# Altium PCB PCB1.PcbDoc (part 5 of 5)
Units mm, origin at the board's own origin, x right, y up, seen from the top; angles counter-clockwise.
Board outline 85 x 56 mm, 6 copper layers (Top Layer, GND, SIG_PWR, Layer 4, PWR, Bottom Layer), stack 1.549 mm thick; 170 components, 334 nets, 1426 pads, 803 vias.
Unrouted connection lines stored in the file: 7.
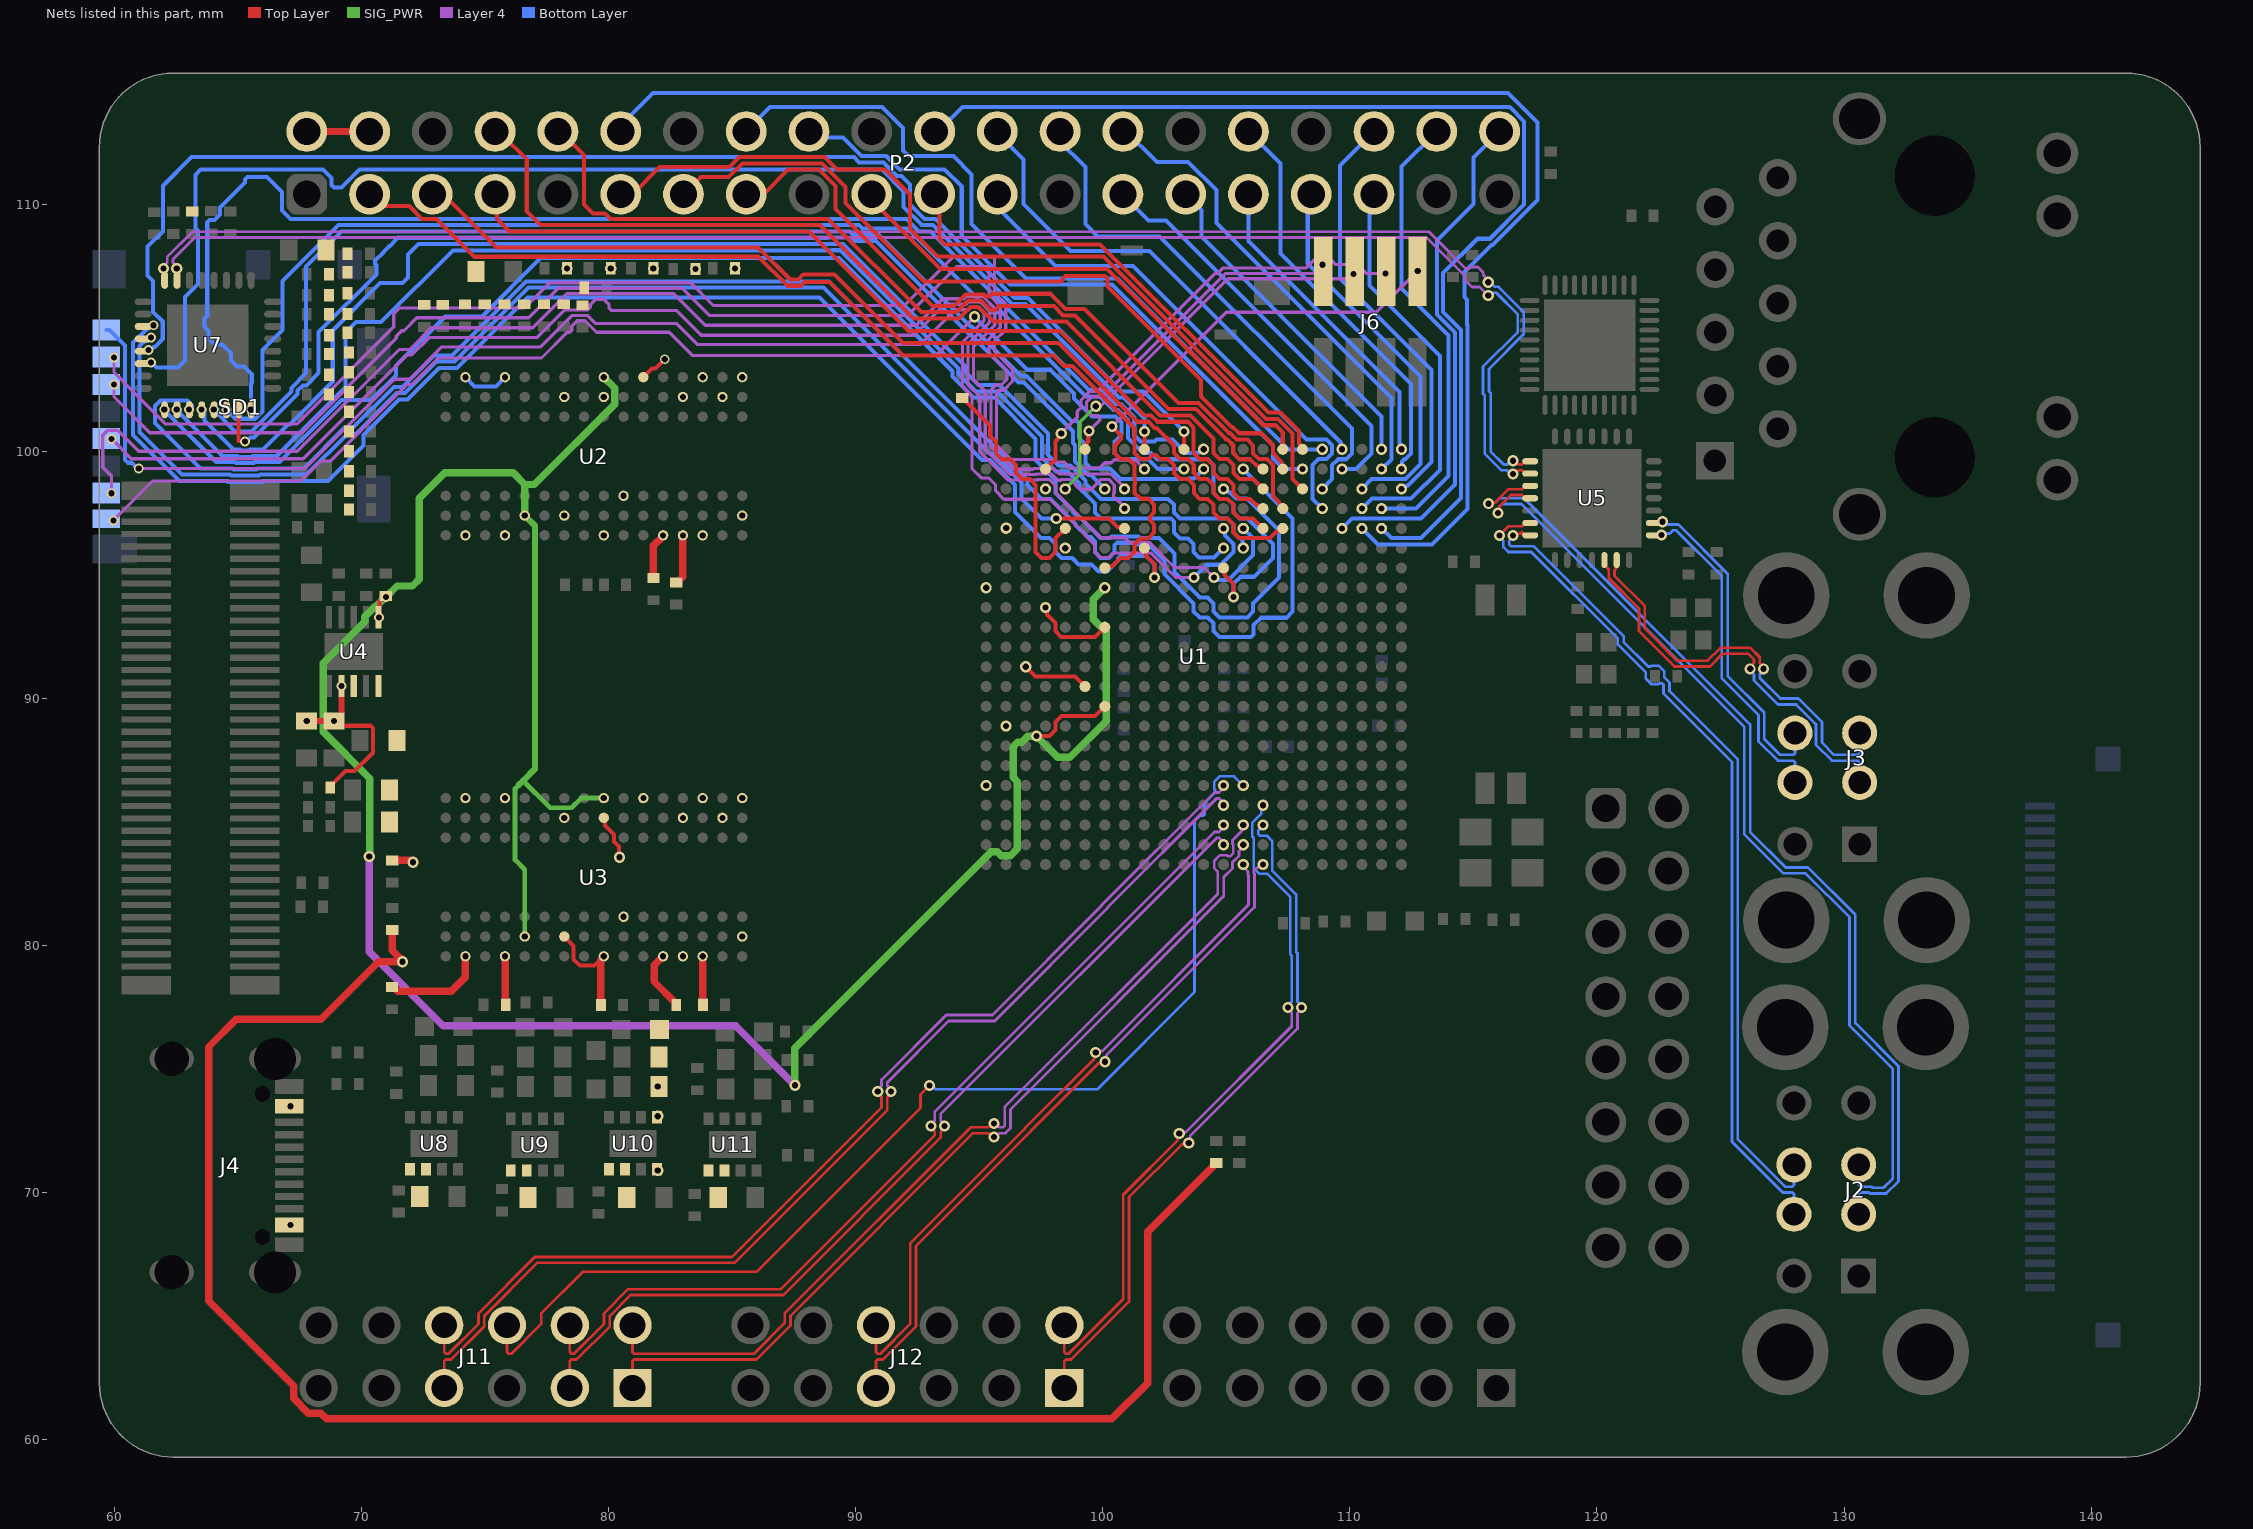
[diagram p9: the nets of this part, all layers, seen from the top]

## Via types
v1: diameter 0.45, hole 0.25, Top Layer to Bottom Layer, tented both sides, 575 vias
v2: diameter 0.4, hole 0.25, Top Layer to Bottom Layer, tented both sides, 212 vias
v3: diameter 0.5, hole 0.3, Top Layer to Bottom Layer, tented both sides, 16 vias

## Nets (pads, with @x,y where several pads share a name; then routed paths per layer and width w, separated by ;. In a path a pad name is that pad's centre, name@x,y a point inside that pad or via, vN(x,y) a via of type N, cw(c..) or ccw(c..) an arc to the next point about the centre after c; other vN are vias at no path point) (continued)
PMOD_L18_P: J11.6 U1.V14 | length 46.1
  Top Layer w0.11: J11.6@75.9,64.64 75.9,63.553 75.964,63.488 76.077,63.488 77.283,64.695 77.283,65.119 78.964,66.8 86,66.8 92.63,73.43 92.63,73.97 92.917,74.257 92.917,74.34 v1(93,74.34)
  Bottom Layer w0.11: v1(93,74.34) 93.083,74.34 93.234,74.188 99.788,74.188 103.72,78.12 103.72,84.726 103.718,84.728 103.718,85.034 103.935,85.251 104.055,85.251 104.12,85.315 104.12,85.772 104.551,86.204 104.551,86.295 104.518,86.328 104.518,86.634 104.735,86.851 105.318,86.851 v1(105.688,86.481)
PMOD_L19_N: J11.7 U1.W13 | length 43.3
  Top Layer w0.11: J11.7@73.36,62.1 73.36,63.187 73.424,63.252 73.635,63.252 74.98,64.597 74.98,65.021 77.122,67.163 85.098,67.163 91.288,73.354 91.288,73.866 91.44,74.017 v1(91.44,74.1)
  Layer 4 w0.11: v1(91.44,74.1) 91.44,74.183 91.289,74.334 91.289,74.472 93.77,76.953 95.636,76.953 100.182,81.499 100.182,81.527 104.618,85.963 104.709,85.963 104.774,85.898 104.774,85.888 104.888,85.773 v1(104.888,85.681)
PMOD_L19_P: J11.8 U1.V13 | length 43.3
  Top Layer w0.11: J11.8@73.36,64.64 73.36,63.553 73.424,63.488 73.537,63.488 74.743,64.695 74.743,65.119 77.024,67.4 85,67.4 91.052,73.452 91.052,73.866 90.9,74.017 v1(90.9,74.1)
  Layer 4 w0.11: v1(90.9,74.1) 90.9,74.183 91.052,74.334 91.052,74.57 93.671,77.19 95.538,77.19 99.945,81.597 99.945,81.625 104.52,86.2 104.709,86.2 104.774,86.264 104.774,86.275 104.888,86.389 v1(104.888,86.481)
PMOD_L20_N: J12.1 U1.Y15 | length 28
  Top Layer w0.11: J12.1@98.45,62.1 98.45,63.187 98.514,63.252 98.725,63.252 101.07,65.597 101.07,69.821 103.209,71.96 103.423,71.96 v1(103.482,72.018)
  Layer 4 w0.11: v1(103.482,72.018) 103.54,72.077 103.54,72.291 107.889,76.639 107.889,77.266 108.04,77.417 v1(108.04,77.5)
  Bottom Layer w0.11: v1(106.488,84.881) 106.488,84.84 106.295,84.647 106.295,84.515 106.359,84.451 106.641,84.451 106.858,84.234 106.858,83.042 107.83,82.07 107.83,79.745 107.888,79.686 107.888,77.734 108.04,77.583 v1(108.04,77.5)
PMOD_L20_P: J12.2 U1.W15 | length 28.5
  Top Layer w0.11: J12.2@98.45,64.64 98.45,63.553 98.514,63.488 98.627,63.488 100.833,65.695 100.833,69.919 103.041,72.127 103.041,72.341 v1(103.1,72.4)
  Layer 4 w0.11: v1(103.1,72.4) 103.159,72.459 103.373,72.459 107.652,76.737 107.652,77.266 107.5,77.417 v1(107.5,77.5)
  Bottom Layer w0.11: v1(106.488,85.681) 106.423,85.616 106.423,85.339 106.058,84.974 106.058,84.417 106.118,84.357 106.118,83.128 106.335,82.911 106.654,82.911 107.593,81.972 107.593,79.647 107.652,79.588 107.652,77.734 107.5,77.583 v1(107.5,77.5)
PMOD_L21_N: J11.1 U1.AA14 | length 36
  Top Layer w0.11: J11.1@80.98,62.1 80.98,63.187 81.044,63.252 85.997,63.252 87.37,64.624 87.37,65.021 94.761,72.412 95.366,72.412 95.517,72.26 v1(95.6,72.26)
  Layer 4 w0.11: v1(95.6,72.26) 95.683,72.26 95.834,72.411 96.068,72.411 96.271,72.615 96.271,73.371 104.9,82 104.9,82.504 104.9,82.77 105.258,83.128 105.258,83.375 105.518,83.635 105.518,83.819 105.688,83.989 v1(105.688,84.081)
PMOD_L21_P: J11.2 U1.Y14 | length 37
  Top Layer w0.11: J11.2@80.98,64.64 80.98,63.553 81.044,63.488 85.899,63.488 87.133,64.723 87.133,65.119 94.663,72.648 95.366,72.648 95.517,72.8 v1(95.6,72.8)
  Layer 4 w0.11: v1(95.6,72.8) 95.683,72.8 95.834,72.648 95.97,72.648 96.034,72.713 96.034,73.47 104.663,82.098 104.663,82.405 104.663,82.983 104.518,83.128 104.518,83.435 104.735,83.651 105.041,83.651 105.075,83.618 105.166,83.618 105.281,83.733 105.281,84.089 105.258,84.112 105.258,84.263 105.623,84.628 105.623,84.816 v1(105.688,84.881)
PMOD_L22_N: J11.3 U1.AA13 | length 37.4
  Top Layer w0.11: J11.3@78.44,62.1 78.44,63.187 78.504,63.252 78.715,63.252 80.06,64.597 80.06,65.021 80.902,65.863 87.08,65.863 93.448,72.232 93.448,72.466 93.6,72.617 v1(93.6,72.7)
  Layer 4 w0.11: v1(93.6,72.7) 93.6,72.783 93.448,72.934 93.448,73.193 104.618,84.363 104.709,84.363 104.774,84.298 104.774,84.288 104.888,84.173 v1(104.888,84.081)
PMOD_L22_P: J11.4 U1.Y13 | length 37.4
  Top Layer w0.11: J11.4@78.44,64.64 78.44,63.553 78.504,63.488 78.617,63.488 79.823,64.695 79.823,65.119 80.804,66.1 86.981,66.1 93.212,72.33 93.212,72.466 93.06,72.617 v1(93.06,72.7)
  Layer 4 w0.11: v1(93.06,72.7) 93.06,72.783 93.212,72.934 93.212,73.291 104.52,84.6 104.709,84.6 104.774,84.664 104.774,84.675 104.888,84.789 v1(104.888,84.881)
PMOD_L23_N: J12.7 U1.AB15 | length 28
  Top Layer w0.11: J12.7@90.83,62.1 90.83,63.187 90.894,63.252 91.105,63.252 92.45,64.597 92.45,67.85 97.094,72.495 97.094,72.509 99.827,75.241 100.041,75.241 v1(100.1,75.3)
  Layer 4 w0.11: v1(100.1,75.3) 100.159,75.359 100.159,75.573 106.142,81.557 106.142,82.922 106.117,82.947 106.117,83.038 106.182,83.102 106.206,83.102 106.271,83.167 106.282,83.167 106.396,83.281 v1(106.488,83.281)
PMOD_L23_P: J12.8 U1.AB14 | length 27.5
  Top Layer w0.11: J12.8@90.83,64.64 90.83,63.553 90.894,63.488 91.007,63.488 92.213,64.695 92.213,67.948 96.846,72.581 96.846,72.595 99.66,75.409 99.66,75.623 v1(99.718,75.682)
  Layer 4 w0.11: v1(99.718,75.682) 99.777,75.74 99.991,75.74 105.905,81.655 105.905,82.823 105.88,82.849 105.88,83.003 105.756,83.127 105.756,83.257 105.78,83.281 v1(105.688,83.281)
PS_TCK: J6.5 U1.C5 | length 16.5
  Layer 4 w0.13: v1(99.725,101.825) 99.912,101.825 105.067,106.98 109.914,106.98 110.109,107.175 v1(110.15,107.175)
  SIG_PWR w0.13: v1(98.488,98.481) 99.07,99.063 99.07,101.17 v1(99.725,101.825)
PS_TDI: J6.1 U1.G7 | length 23.5
  Top Layer w0.164: U1.G7@100.088,95.281 100.143,95.336 100.381,95.336 100.724,95.678 101.046,95.678 101.285,95.917 101.285,96.239 101.524,96.478 101.846,96.478 102.085,96.717 102.085,97.046 101.917,97.213 101.917,97.349 102.085,97.517 102.085,97.846 101.849,98.081 101.527,98.081 101.291,98.317 101.291,98.646 101.317,98.672 101.317,98.808 101.285,98.84 101.285,99.446 101.049,99.681 100.727,99.681 100.491,99.917 100.491,100.246 100.742,100.497 100.742,100.633 v1(100.375,101)
  Layer 4 w0.13: v1(100.375,101) 105,105.625 111.075,105.625 v1(112.75,107.3)
PS_TDO: J6.3 U1.B4 | length 18.4
  Top Layer w0.164: U1.B4@97.688,99.281 98.085,99.678 98.085,100.408 98.325,100.648 v1(98.325,100.725)
  Layer 4 w0.13: v1(98.325,100.725) 98.977,101.377 98.977,101.614 99.124,101.762 99.124,102.074 99.476,102.426 99.788,102.426 104.562,107.2 104.664,107.2 104.884,107.42 108.233,107.42 108.743,107.93 109.057,107.93 109.432,107.555 110.307,107.555 110.663,107.2 v1(111.45,107.2)
PS_TMS: J6.7 U1.A6 | length 14.4
  Top Layer w0.164: U1.A6@99.288,100.081 99.343,100.136 99.343,100.313 99.417,100.387 99.417,100.792 v1(99.45,100.825)
  Layer 4 w0.13: v1(99.45,100.825) 99.885,101.26 99.885,101.368 99.809,101.445 99.568,101.445 99.345,101.668 99.345,101.982 99.568,102.205 99.981,102.205 104.976,107.2 108.55,107.2 v1(108.9,107.55)
RPI_GPIO[0]: P2.19 U1.A16 | length 21.2
  Top Layer w0.164: P2.19@90.589,110.069 90.754,110.069 91.523,109.3 93.448,107.375 100.179,107.375 106.499,101.055 106.986,101.055 107.288,100.753 U1.A16@107.288,100.081
RPI_GPIO[1]: P2.15 U1.D16 | length 29.8
  Top Layer w0.164: P2.15@85.58,110.4 86.277,110.4 87.274,111.397 88.533,111.397 89.2,110.73 89.2,109.8 93.117,105.883 93.978,105.883 94.443,106.348 95.193,106.348 95.274,106.267 95.409,106.267 95.517,106.375 97.883,106.375 98.505,105.754 99.271,105.754 103.067,101.958 103.881,101.958 105.107,100.732 105.158,100.732 105.411,100.478 105.852,100.478 106.088,100.243 106.088,99.92 106.324,99.684 106.646,99.684 106.891,99.439 106.891,98.198 107.139,97.951 107.139,97.908 107.288,97.759 U1.D16@107.288,97.681
RPI_GPIO[2]: P2.16 U1.A18 | length 31.2
  Bottom Layer w0.164: P2.16@85.56,112.96 86.537,113.937 91.073,113.937 91.93,113.08 91.93,112.17 92.157,111.943 93.957,111.943 94.7,111.2 94.7,109.2 96.899,107.001 100.599,107.001 107.519,100.081 v1(108.888,100.081)
RPI_GPIO[3]: P2.26 U1.C18 | length 21.7
  Bottom Layer w0.164: P2.26@98.2,113.125 98.2,112.6 99.3,111.5 99.3,109.2 99.8,108.7 102.3,108.7 110.085,100.915 110.085,99.917 109.846,99.678 109.524,99.678 109.285,99.439 109.285,98.878 v1(108.888,98.481)
RPI_GPIO[4]: P2.40 U1.E19 | length 21.1
  Bottom Layer w0.164: v1(109.688,96.881) 110.085,97.278 112.878,97.278 114.254,98.654 114.254,104.801 113.524,105.531 113.524,108.524 115,110 115,111.88 P2.40@116.06,112.94 P2.40@116.165,113.045
RPI_GPIO[5]: P2.33 U1.C20 | length 15.6
  Bottom Layer w0.164: P2.33@108.3,110.4 108.3,107.589 112.86,103.029 112.86,99.492 112.246,98.878 110.885,98.878 v1(110.488,98.481)
RPI_GPIO[6]: P2.22 U1.E21 | length 45.7
  Bottom Layer w0.164: P2.22@93.27,112.87 94.337,113.937 116.473,113.937 117.057,113.353 117.057,109.987 115.671,108.601 115.164,108.601 113.778,107.214 113.778,105.636 114.508,104.906 114.508,98.108 112.884,96.484 111.685,96.484 v1(111.288,96.881)
RPI_GPIO[7]: P2.32 U1.B22 | length 16.9
  Bottom Layer w0.164: P2.32@105.658,113.182 P2.32@105.9,112.94 107.2,111.64 107.2,108 112.485,102.715 112.485,99.917 112.252,99.684 112.215,99.684 112.119,99.588 112.119,99.312 v1(112.088,99.281)
RPI_GPIO[8]: P2.7 U1.D15 | length 37.6
  Top Layer w0.164: P2.7@75.5,110.175 75.5,109.403 76.008,108.895 88.119,108.895 92.139,104.875 98.275,104.875 101.699,101.451 101.958,101.451 102.211,101.197 103.124,101.197 103.452,101.197 103.685,100.964 103.685,99.923 103.93,99.678 104.252,99.678 104.491,99.439 104.491,99.117 104.73,98.878 105.052,98.878 105.291,98.639 105.291,98.317 105.53,98.078 105.971,98.078 106.218,97.83 106.261,97.83 106.411,97.681 U1.D15@106.488,97.681
RPI_GPIO[9]: P2.11 U1.C17 | length 35.7
  Top Layer w0.164: P2.11@80.5,110.4 80.97,110.4 82.07,111.5 84.911,111.5 85.316,111.905 88.743,111.905 89.248,111.4 91.2,111.4 92.2,110.4 92.2,109 93.325,107.875 100.038,107.875 106.604,101.309 107.091,101.309 107.685,100.715 107.685,98.884 U1.C17@108.088,98.481
RPI_GPIO[10]: P2.24 U1.A19 | length 20.5
  Bottom Layer w0.164: P2.24@95.7,112.9 96.8,111.8 96.8,110 98.7,108.1 101.9,108.1 109.634,100.366 109.634,100.135 v1(109.688,100.081)
RPI_GPIO[11]: P2.35 U1.D20 | length 16.1
  Bottom Layer w0.164: v1(110.488,97.681) 110.891,98.084 112.484,98.084 113.646,99.246 113.646,103.854 110.8,106.7 P2.35@110.8,110.4
RPI_GPIO[12]: P2.29 U1.A21 | length 13.6
  Bottom Layer w0.164: P2.29@103.36,110.4 104,109.76 104,108.7 111.288,101.412 v1(111.288,100.081)
RPI_GPIO[13]: P2.38 U1.D21 | length 18.6
  Bottom Layer w0.164: v1(111.288,97.681) 112.681,97.681 114,99 114,104.696 112.1,106.596 112.1,111.52 P2.38@113.52,112.94
RPI_GPIO[14]: P2.31 U1.A22 | length 12.9
  Bottom Layer w0.164: P2.31@105.9,110.4 105.9,108.5 112.008,102.392 112.008,100.32 112.033,100.295 112.033,100.136 v1(112.088,100.081)
RPI_GPIO[15]: P2.36 U1.C22 | length 17.1
  Bottom Layer w0.164: P2.36@110.98,112.94 109.6,111.56 109.6,107 113.3,103.3 113.3,99.573 112.351,98.624 112.308,98.624 112.165,98.481 v1(112.088,98.481)
RPI_GPIO[16]: P2.13 U1.B16 | length 31.4
  Top Layer w0.164: P2.13@83.04,110.4 83.74,111.1 84.87,111.1 85.421,111.651 88.638,111.651 89.6,110.689 89.6,110.05 92.775,106.875 98.308,106.875 98.404,106.971 98.404,106.997 98.505,107.098 100.097,107.098 100.198,106.997 100.198,106.673 103.986,102.885 103.986,102.212 105.212,100.986 105.263,100.986 105.517,100.732 106.399,100.732 106.885,100.246 106.885,99.923 107.233,99.575 107.233,99.336 U1.B16@107.288,99.281
RPI_GPIO[17]: P2.5 U1.E15 | length 40.1
  Top Layer w0.164: P2.5@72.88,110.4 73.325,110.4 75.475,108.25 86.064,108.25 87.361,106.953 87.689,106.953 87.886,107.15 89.157,107.15 91.932,104.375 98.21,104.375 101.388,101.197 101.852,101.197 102.106,100.943 102.188,100.943 102.885,100.246 102.885,99.923 103.125,99.683 103.447,99.683 103.687,99.443 103.687,99.121 103.926,98.882 104.249,98.882 104.489,98.642 104.489,98.319 104.729,98.079 105.051,98.079 105.291,97.839 105.291,97.517 105.53,97.278 106.091,97.278 U1.E15@106.488,96.881
RPI_GPIO[18]: P2.3 U1.E16 | length 44.5
  Top Layer w0.164: P2.3@70.34,110.4 70.815,109.925 71.945,109.925 72.467,109.403 73.047,109.403 74.578,107.872 86.083,107.872 87.255,106.699 87.795,106.699 87.945,106.85 88.95,106.85 91.925,103.875 98.009,103.875 98.437,103.447 98.771,103.447 101.285,100.933 101.285,99.923 101.524,99.684 101.852,99.684 102.02,99.852 102.156,99.852 102.326,99.682 102.648,99.682 102.889,99.441 102.889,99.119 103.129,98.879 103.452,98.879 103.691,98.639 103.691,98.317 103.928,98.08 104.251,98.08 104.489,97.842 104.489,97.519 104.726,97.281 105.049,97.281 105.286,97.044 105.286,96.722 105.524,96.484 106.771,96.484 107.018,96.732 107.061,96.732 107.211,96.881 U1.E16@107.288,96.881
RPI_GPIO[19]: P2.21 U1.A17 | length 20.7
  Top Layer w0.164: P2.21@93,110.55 93.4,110.15 93.4,108.6 93.625,108.375 99.897,108.375 106.709,101.563 107.196,101.563 107.939,100.82 107.939,100.308 108.088,100.159 U1.A17@108.088,100.081
RPI_GPIO[20]: P2.18 U1.B17 | length 27
  Bottom Layer w0.164: P2.18@88.12,112.7 89.49,112.7 90.247,111.943 91.245,111.943 91.788,111.4 93.61,111.4 94.3,110.71 94.3,108.704 96.257,106.747 100.384,106.747 106.885,100.246 106.885,99.715 107.319,99.281 v1(108.088,99.281)
RPI_GPIO[21]: P2.23 U1.D18 | length 21.6
  Bottom Layer w0.164: P2.23@95.825,110.725 95.825,109.775 98.1,107.5 101.231,107.5 108.252,100.478 109.052,100.478 109.285,100.246 109.285,99.917 109.049,99.681 108.727,99.681 108.491,99.446 108.491,98.078 v1(108.888,97.681)
RPI_GPIO[22]: P2.27 U1.B19 | length 16.5
  Bottom Layer w0.164: P2.27@100.81,110.39 101.857,109.343 102.557,109.343 110.885,101.015 110.885,99.917 110.249,99.281 v1(109.688,99.281)
RPI_GPIO[23]: P2.12 U1.E20 | length 60.4
  Bottom Layer w0.164: P2.12@80.37,113.07 81.8,114.5 116.4,114.5 117.6,113.3 117.6,110.171 115.776,108.347 115.73,108.347 114.633,107.249 114.633,106.247 114.747,106.133 114.747,105.13 114.762,105.115 114.762,97.662 113.33,96.23 111.139,96.23 v1(110.488,96.881)
RPI_GPIO[24]: P2.28 U1.B21 | length 19.1
  Bottom Layer w0.164: P2.28@100.89,113.01 102.192,111.708 103.462,111.708 104.6,110.57 104.6,109.238 111.685,102.153 111.685,99.678 v1(111.288,99.281)
RPI_GPIO[25]: P2.10 U1.B15 | length 36.1
  Top Layer w0.164: P2.10@78.01,112.99 79.007,111.993 79.007,109.993 79.376,109.624 79.866,109.624 80.087,109.403 88.897,109.403 92.671,105.629 94.084,105.629 94.549,106.094 95.088,106.094 95.491,105.691 95.627,105.691 95.811,105.875 98.024,105.875 98.399,105.5 98.875,105.5 102.67,101.705 103.775,101.705 105.002,100.478 105.052,100.478 105.285,100.246 105.285,99.923 105.53,99.678 105.971,99.678 106.218,99.43 106.261,99.43 106.411,99.281 U1.B15@106.488,99.281
RPI_GPIO[26]: P2.8 U1.C15 | length 39
  Top Layer w0.164: P2.8@75.55,112.775 75.725,112.775 76.7,111.8 76.7,109.7 77.251,109.149 88.572,109.149 92.346,105.375 94.189,105.375 94.654,105.84 94.983,105.84 95.577,105.246 98.529,105.246 102.324,101.451 103.018,101.451 103.558,101.451 104.485,100.523 104.485,99.923 104.725,99.683 105.048,99.683 105.288,99.443 105.288,99.12 105.53,98.878 106.091,98.878 U1.C15@106.488,98.481
SDCARD_CLK: SD1.5 U1.E14 | length 61.3
  Layer 4 w0.13: v2(59.9,100.5) 60.7,99.7 67.662,99.7 71.862,103.899 72.049,103.899 72.749,104.6 77.109,104.6 78.23,105.721 79.166,105.721 79.27,105.824 79.27,105.932 79.493,106.155 79.807,106.155 80.03,105.932 80.03,105.785 80.114,105.701 82.751,105.701 83.753,104.7 92.366,104.7 93.619,105.952 94.478,105.952 94.569,106.044 95.067,106.044 95.419,105.692 95.419,105.194 94.55,104.325 94.55,102.697 95.03,102.217 95.03,99.988 96.181,98.836 97.366,98.836 97.391,98.861 97.845,98.861 98.108,98.599 98.108,98.324 99.931,96.501 100.899,96.501 101.1,96.3 101.908,96.3 102.908,95.3 104.1,95.3 v1(104.5,94.9)
  Bottom Layer w0.164: v1(104.5,94.9) 104.6,94.8 105.086,94.8 106.085,95.798 106.085,96.484 v1(105.688,96.881)
SDCARD_CMD: SD1.3 U1.C8 | length 54.7
  Layer 4 w0.13: v2(60,102.7) 60,102.2 61.445,100.755 67.608,100.755 71.42,104.567 71.42,104.657 71.643,104.88 71.733,104.88 72.253,105.4 76.778,105.4 77.973,106.596 82.988,106.596 84.085,105.5 92.115,105.5 94.091,107.475 95.328,107.475 95.405,107.399 95.405,106.329 95.859,105.874 95.859,105.012 95.405,104.557 95.405,103.958 96.13,103.232 96.13,102.918 95.907,102.695 95.695,102.695 95.487,102.487 95.487,100.153 96.363,99.277 97.183,99.277 97.208,99.302 98.028,99.302 98.248,99.082 100.337,99.082 100.888,98.531 v1(100.888,98.481)
SDCARD_D0: SD1.7 U1.D8 | length 56.5
  Layer 4 w0.13: v2(59.9,98.3) 59.9,98.998 59.545,99.353 59.545,100.647 59.753,100.855 60.145,100.855 61,100 67.418,100 71.538,104.12 71.957,104.12 72.838,105 76.943,105 78.319,106.376 82.643,106.376 83.919,105.1 92.455,105.1 93.527,106.172 94.386,106.172 94.478,106.264 95.158,106.264 95.639,105.783 95.639,105.103 94.77,104.234 94.77,102.917 95.25,102.437 95.25,100.079 96.272,99.057 97.274,99.057 97.299,99.082 97.937,99.082 98.19,98.829 98.298,98.829 98.331,98.861 98.682,98.861 99.074,98.47 99.539,98.47 99.931,98.861 100.245,98.861 100.468,98.639 100.468,98.324 100.435,98.291 100.435,98.183 100.888,97.731 v1(100.888,97.681)
SDCARD_D1: SD1.8 U1.B11 | length 51.8
  Layer 4 w0.13: v2(59.975,97.2) 61.575,98.8 67.56,98.8 68.373,99.613 68.763,99.613 71.849,102.699 72.049,102.699 73.125,103.775 77.297,103.775 78.338,104.816 78.443,104.816 78.52,104.893 78.52,105.057 78.743,105.28 79.057,105.28 79.521,104.816 82.471,104.816 83.412,103.875 93.25,103.875 v1(94.818,105.443)
  Bottom Layer w0.164: v1(94.818,105.443) 96.961,103.3 97.886,103.3 98.847,102.339 98.847,102.142 99.575,101.413 100.523,101.413 100.772,101.164 100.772,100.681 100.491,100.4 100.491,99.917 100.73,99.678 101.852,99.678 102.249,99.281 v1(103.288,99.281)
SDCARD_D2: SD1.1 U1.E13 | length 65.5
  Layer 4 w0.13: v2(61,99.3) 67.725,99.3 71.345,102.92 71.957,102.92 73.263,104.225 77.264,104.225 78.539,105.501 79.149,105.501 79.475,105.174 82.749,105.174 83.598,104.325 92.638,104.325 94.044,105.732 94.569,105.732 94.661,105.823 94.976,105.823 95.198,105.601 95.198,105.286 94.329,104.417 94.329,102.606 94.709,102.226 94.709,99.304 95.089,98.924 95.383,98.924 95.668,98.639 95.668,98.399 96.006,98.061 97.876,98.061 98.903,97.034 98.903,97.004 99.668,96.239 99.668,95.963 99.931,95.701 100.245,95.701 100.426,95.882 101.967,95.882 102.949,94.9 v1(103.7,94.9)
  Bottom Layer w0.164: SD1.1@59.688,104.913 59.813,104.913 60.446,104.279 60.446,99.654 60.562,99.538 60.698,99.538 60.936,99.3 v2(61,99.3) ; v1(103.7,94.9) 104.21,95.41 104.778,95.41 105.288,95.92 105.288,96.243 104.943,96.588 104.943,96.826 v1(104.888,96.881)
SDCARD_D3: SD1.2 U1.B9 | length 56.3
  Layer 4 w0.13: v2(60,103.8) 60,103.202 60.355,102.847 60.355,102.841 62.097,101.1 67.387,101.1 71.32,105.033 71.32,105.557 71.562,105.8 76.612,105.8 77.628,106.816 83.334,106.816 84.25,105.9 91.975,105.9 93.95,107.875 95.549,107.875 95.625,107.799 95.625,106.42 96.08,105.966 96.08,104.921 95.625,104.466 95.625,104.049 96.351,103.324 96.351,102.826 95.999,102.474 95.786,102.474 95.708,102.396 95.708,100.244 96.278,99.674 97.926,99.674 98.029,99.571 98.429,99.571 98.68,99.32 99.857,99.32 100.078,99.541 100.344,99.541 100.465,99.661 101.045,99.661 101.08,99.627 101.342,99.627 v1(101.688,99.281)
UART0_RX: R54.1 U1.E5 | length 10
  Top Layer w0.164: R54.1@94.325,102.16 94.375,102.16 94.493,102.042 94.493,101.992 95.45,101.035 95.45,100.625 95.687,100.388 95.687,99.921 95.93,99.678 96.252,99.678 96.488,99.443 96.488,99.12 96.73,98.878 97.052,98.878 97.291,98.639 97.291,95.917 97.53,95.678 97.846,95.678 98.091,95.923 98.091,96.484 U1.E5@98.488,96.881
UART0_TX: U1.C4
  other v1: 97.688,98.481
USB_CLK: U1.A9 U7.14 | length 54.4
  Top Layer w0.164: U1.A9@101.688,100.081 v1(101.688,100.8)
  Bottom Layer w0.164: v2(61.5,103.6) 61.514,103.6 61.714,103.4 62.597,103.4 62.872,103.675 62.872,106.24 63.407,106.775 63.407,108.924 63.293,109.038 63.293,111.187 63.503,111.397 68.455,111.397 68.797,111.055 68.797,110.766 68.893,110.67 69.2,110.67 69.927,111.397 70.753,111.397 91.073,111.397 91.949,110.521 91.949,109.882 92.682,109.149 93.136,109.149 96.332,105.954 96.875,105.954 100.654,102.175 100.838,102.175 101.688,101.325 v1(101.688,100.8)